# Altium PCB Power Distribution Board Rev5.PcbDoc (part 2 of 2) (continued)
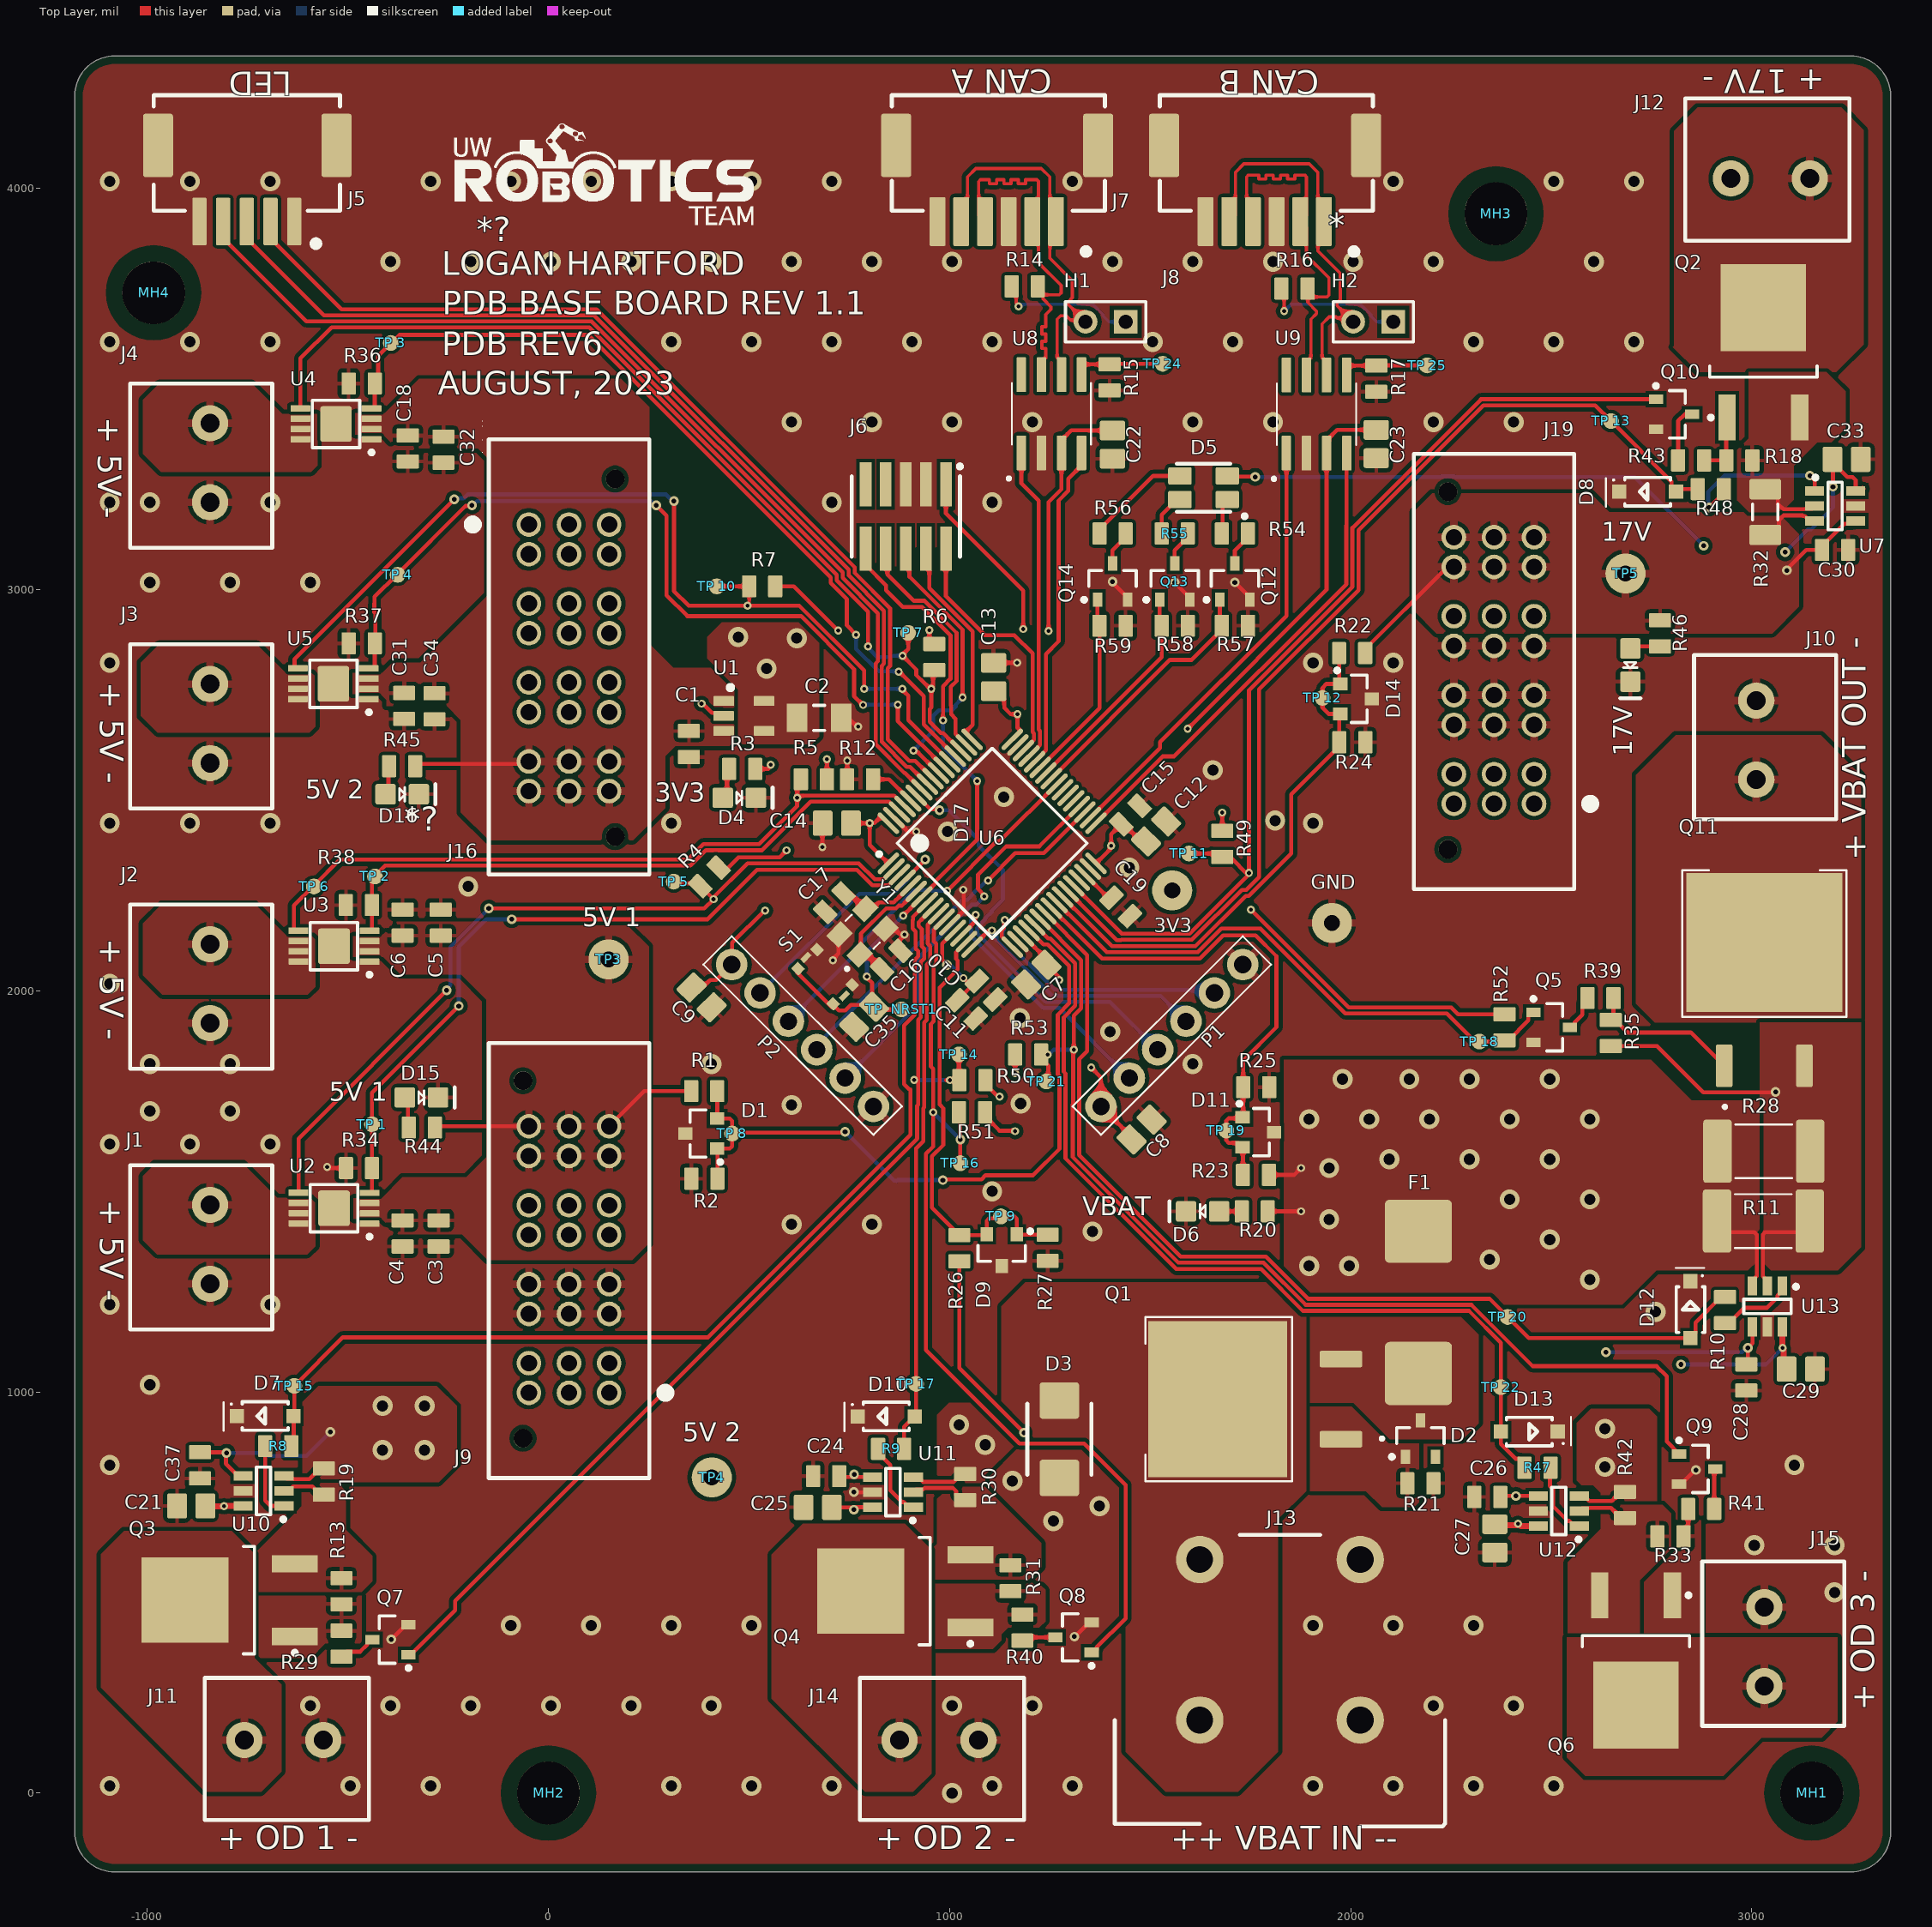
[diagram p0: Top Layer view]
## Nets (pads, with @x,y where several pads share a name; then routed paths per layer and width w, separated by ;. In a path a pad name is that pad's centre, name@x,y a point inside that pad or via, vN(x,y) a via of type N, cw(c..) or ccw(c..) an arc to the next point about the centre after c; other vN are vias at no path point) (continued)
NetD5_2: D5.2 R55.1 | length 107.9
  Top Layer w10: R55.1@1528.82,3140 1528.82,3186.92 1566.37,3224.47 D5.2@1574.24,3224.47
NetD5_3: D5.3 R56.1 | length 265.6
  Top Layer w10: R56.1@1373.82,3140 1373.82,3149.84 1507.5,3283.53 D5.3@1574.24,3283.53
NetD6_1: D6.1 R20.1 | length 56.2
  Top Layer w10: D6.1@1672.24,1450.15 R20.1@1728.42,1450.15
NetD15_1: D15.1 R44.2 | length 79.1
  Top Layer w10: D15.1@-358.04,1734 -350.4,1726.36 -350.4,1661.22 R44.2@-348.18,1659
NetD16_1: D16.1 R45.2 | length 73.7
  Top Layer w10: D16.1@-406.04,2490 -398.9,2497.14 -398.9,2558.28 R45.2@-397.18,2560
NetD17_1: D17.1 R46.1 | length 76.1
  Top Layer w10: D17.1@2697.3,2853.34 2702.48,2858.52 R46.1@2771.3,2858.52
NetH1_1: H1.1 R14.1 | length 346.1
  Top Layer w8: R14.1@1154.9,3756.07 1165.96,3745.01 1165.96,3714.25 1171.9,3708.31 v2(1171.9,3706.15)
  Bottom Layer w8: v2(1171.9,3706.15) 1176.99,3711.24 1357.13,3711.24 1382.63,3685.75 1382.63,3682.66 1397.58,3667.72 H1.1@1439.1,3667.72
NetH2_1: H2.1 R16.1 | length 358
  Top Layer w8: R16.1@1827.47,3750.55 1834.1,3743.92 v2(1834.1,3694.36)
  Bottom Layer w8: v2(1834.1,3694.36) 1850.99,3711.24 2024.33,3711.24 2049.83,3685.75 2049.83,3682.66 2064.77,3667.72 H2.1@2106.3,3667.72
NetJ10_1: J10.1 Q11.2
NetJ11_1: J11.1 Q3.2
NetJ12_1: J12.1 Q2.2
NetJ14_1: J14.1 Q4.2
NetJ15_1: J15.1 Q6.2
NetQ2_1: Q2.1 R18.1 R43.2 | length 162.8
  Top Layer w10: R43.2@2881.38,3322.15 R18.1@2936.42,3322.15 2936.42,3427.15 Q2.1@2938.35,3429.08
NetQ3_1: Q3.1 R13.1 R29.2
NetQ4_1: Q4.1 R31.1 R40.2
NetQ5_3: Q5.3 R39.1 | length 94.5
  Top Layer w10: Q5.3@2546.24,1909 2552.14,1909 2558.95,1915.81 2558.95,1921.72 2577.48,1940.24 2577.48,1969.15 R39.1@2590.2,1981.86
NetQ6_1: Q6.1 R33.1 R41.2 | length 73.2
  Top Layer w10: R33.1@2829.69,639.84 2841.42,651.56 R41.2@2841.42,708.15
NetQ7_3: Q7.3 R29.1 | length 98
  Top Layer w10: R29.1@-516.1,339.76 -503.39,352.48 -469.48,352.48 -452.04,369.92 -452.04,375.83 -445.23,382.64 Q7.3@-439.32,382.64
NetQ8_3: Q8.3 R40.1 | length 85.3
  Top Layer w10: R40.1@1181.65,380.12 1189.67,388.13 Q8.3@1263.62,388.13
NetQ9_3: Q9.3 R41.1 | length 101.2
  Top Layer w10: R41.1@2906.38,708.15 2906.38,805.35 Q9.3@2909.17,808.15
NetQ10_3: Q10.3 R43.1 | length 127.9
  Top Layer w10: R43.1@2816.42,3322.15 2816.42,3420.3 2833.27,3437.15 Q10.3@2839.17,3437.15
NetQ11_1: Q11.1 R35.1 R39.2 | length 387.5
  Top Layer w10: R39.2@2655.16,1981.86 2655.16,1933.82 R35.1@2648.52,1927.18 2658.36,1927.18 2689.55,1896 2848.33,1896 Q11.1@2931.3,1813.03
NetQ12_3: Q12.3 R54.1 | length 88.4
  Top Layer w10: Q12.3@1711.3,3065.28 1711.3,3097.99 1730.75,3117.44 1731.06,3117.44 1743.78,3130.16 R54.1@1743.78,3140
NetQ13_3: Q13.3 R55.2 | length 88.4
  Top Layer w10: Q13.3@1561.3,3065.28 1561.3,3097.99 1580.75,3117.44 1581.06,3117.44 1593.78,3130.16 R55.2@1593.78,3140
NetQ14_3: Q14.3 R56.2 | length 88.4
  Top Layer w10: Q14.3@1406.3,3065.28 1406.3,3097.99 1425.75,3117.44 1426.06,3117.44 1438.78,3130.16 R56.2@1438.78,3140
NetR8_1: R8.1 U10.1 | length 188.5
  Top Layer w10: R8.1@-706.18,865 -706.18,728.82 -693.11,715.75 U10.1@-659.26,715.75
NetR9_1: R9.1 U11.1 | length 191.2
  Top Layer w10: R9.1@821.82,858 821.82,848.16 852.3,817.68 852.3,754.32 881.07,725.54 885.68,725.54 898.27,712.95 U11.1@910.08,712.95
NetR10_1: R10.1 U13.1 | length 191.4
  Top Layer w10: R10.1@2933.3,1171.52 2943.14,1171.52 2981.4,1209.78 3038.48,1209.78 3064.02,1235.32 3064.02,1239.93 3076.61,1252.52 U13.1@3076.61,1264.33
NetR12_2: R12.2 U6.60 | length 115.9
  Top Layer w10: R12.2@809.38,2527.15 849.43,2527.15 U6.60@903.07,2473.5
NetR15_1: "TP 24.1" R15.1 U8.5 | length 224.5
  Top Layer w10: U8.5@1329.04,3535.9 1329.04,3554.78 1335.85,3561.59 R15.1@1398.83,3561.59 1400.24,3563 1531.3,3563
NetR17_1: "TP 25.1" R17.1 U9.5 | length 220
  Top Layer w10: U9.5@1989.87,3535.06 1989.87,3551.5 1996.69,3558.31 R17.1@2063.87,3558.31 2064.56,3559 2190.3,3559
NetR47_1: R47.1 U12.1 | length 185.9
  Top Layer w10: R47.1@2498.3,811 2496.72,809.42 2496.72,765.36 2504.34,757.75 2504.34,715.07 2541.07,678.34 2545.68,678.34 2558.27,665.75 U12.1@2570.08,665.75
NetR48_1: R48.1 U7.1 | length 415.5
  Top Layer w10: v3(2893.47,3204.63) 2894.4,3204.63 2930.47,3240.7 R48.1@2930.47,3250.54 ; v3(3144.93,3284.34) 3156.75,3272.53 U7.1@3156.75,3245.98
  Bottom Layer w10: v3(2893.47,3204.63) 2891.38,3206.72 2891.38,3243.93 2920.04,3272.59 2931.79,3284.34 v3(3144.93,3284.34)
NetU6_33: U6.33 U9.4 | length 1197.8
  Top Layer w10: U6.33@1365.2,2417.83 1531.74,2584.36 1560.21,2584.36 1989.3,3013.45 1989.3,3160.21 1989.87,3160.79 U9.4@1989.87,3340.18
NetU6_34: U6.34 U9.1 | length 1110.8
  Top Layer w10: U6.34@1351.28,2431.75 1524.81,2605.28 1524.81,2619.67 1839.87,2934.73 U9.1@1839.87,3340.18
NetU6_44: U6.44 U8.4 | length 818.5
  Top Layer w10: U6.44@1212.09,2570.94 1212.09,2571.43 1240.11,2599.46 1240.11,2839.37 1271.9,2871.15 1271.9,3221.94 1296.06,3246.1 1296.06,3276.55 1329.04,3309.52 U8.4@1329.04,3341.02
NetU6_45: U6.45 U8.1 | length 786.4
  Top Layer w10: U8.1@1179.04,3341.02 1179.04,3265.01 1221.9,3222.15 1221.9,2650.84 1225.11,2647.62 1225.11,2612.3 1198.17,2585.35 U6.45@1198.17,2584.86
NRST: "TP  NRST1.1" C35.2 J6.10 S1.3 S1.4 U6.7 | length 1731.4
  Top Layer w10: S1.3@619.39,2046.33 707.08,1958.64 716.53,1958.64 724.23,1950.94 739.76,1950.94 753.76,1964.94 803.04,1964.94 816.82,1951.16 834.81,1951.16 836.8,1953.15 868.9,1953.15 ; J6.10@790.9,3102.15 790.9,3061.65 841.8,3010.74 841.8,2998.56 883.21,2957.16 931.25,2957.16 1002.46,2885.95 1002.46,2777.9 983.52,2758.97 v2(983.52,2674.11) ; v2(793.9,2035.15) 793.9,2032.44 806.94,2019.4 806.94,1964.94 C35.2@811.81,1960.06 ; C35.2@802.26,1958.12 C35.2@809.86,1958.12 ; v2(884.19,2187.35) U6.7@930.91,2234.09 964.22,2267.4 964.22,2272.35 1068.9,2377.02 v2(1068.9,2523.15)
  Bottom Layer w10: v2(793.9,2035.15) 793.9,2097.07 v2(884.19,2187.35) ; v2(983.52,2674.11) 983.52,2608.53 v2(1068.9,2523.15)
ODRIVE_1: Q3.3 R13.2 R19.2 U10.2 | length 113.2
  Top Layer w10: U10.2@-659.26,753.15 -647.45,753.15 -636.28,764.32 -588.39,764.32 -582.53,758.47 -582.53,756.83 -569.81,744.12 R19.2@-559.97,744.12
ODRIVE_1_CURRENT: "TP 15.1" D7.2 R8.2 U6.8 | length 2571.7
  Top Layer w10: R8.2@-641.22,865 -635.32,870.9 D7.2@-635.32,940 -633.7,941.62 -633.7,1015 -512.7,1136 397.75,1136 902.71,1640.96 902.71,1754 899.8,1754 886.63,1767.17 886.63,1913.73 913.03,1940.13 913.03,2077.47 921.63,2086.07 921.63,2099.05 915.73,2104.95 915.73,2147.64 908.09,2155.28 908.09,2175.9 909.19,2177 909.19,2184.53 U6.8@944.83,2220.17
ODRIVE_1_EN: "TP 14.1" Q7.1 R50.1 U6.9 | length 2614.6
  Top Layer w10: Q7.1@-348.77,345.24 -342.86,345.24 -232.7,455.4 -232.7,479.34 919.3,1631.34 919.3,1713.72 921.63,1716.05 921.63,1777.52 ; v2(911.63,1777.52) 921.63,1777.52 ; U6.9@958.75,2206.25 923.09,2170.59 923.09,2161.49 930.73,2153.86 930.73,2111.17 936.63,2105.26 936.63,2079.86 928.03,2071.25 928.03,1933.91 921.63,1927.52 921.63,1777.52 ; v2@991.07,1777.15 R50.1@1024.42,1777.15 1023.42,1778.15 1023.42,1841.15
  Bottom Layer w10: v2(911.63,1777.52) 911.82,1777.34 1000.88,1777.34 v2(1001.07,1777.15)
ODRIVE_2: Q4.3 R30.2 R31.2 U11.2 | length 151.4
  Top Layer w10: U11.2@910.08,750.35 916.89,757.17 934.1,757.17 937.64,760.71 1008.54,760.71 1016.43,752.82 1016.43,743.07 1029.15,730.35 R30.2@1038.9,730.35
ODRIVE_2_CURRENT: "TP 17.1" D10.2 R9.2 U6.10 | length 1374.8
  Top Layer w10: R9.2@886.78,858 886.78,912.61 D10.2@913.16,939 916.3,942.13 916.3,1020 916.3,1607.13 934.3,1625.13 934.3,1707.5 936.63,1709.84 936.63,1921.31 943.03,1927.7 943.03,2065.04 951.63,2073.65 951.63,2111.47 945.73,2117.38 945.73,2164.9 972.67,2191.84 U6.10@972.67,2192.33
ODRIVE_2_EN: "TP 16.1" Q8.1 R51.1 U6.11 | length 2420
  Top Layer w10: U6.11@986.59,2178.41 986.59,2177.92 960.73,2152.06 960.73,2123.59 966.63,2117.69 966.63,2067.63 966.44,2067.44 966.44,2067.24 960.39,2061.19 960.39,1923.85 953.3,1916.76 953.3,1811.31 959.3,1805.31 v2(959.3,1697.15) 959.3,1611.52 941.3,1593.52 941.3,1104.39 1174.24,871.44 1335.46,871.44 1438.9,768.01 1438.9,435.46 1366.89,363.45 1366.89,357.54 1360.08,350.73 Q8.1@1354.17,350.73 ; R51.1@1023.42,1697.15 1026.9,1693.67 v3(1026.9,1629) 1026.9,1570.15
  Bottom Layer w10: v2(959.3,1697.15) 959.3,1696.87 1026.9,1629.28 v3(1026.9,1629)
ODRIVE_3: Q6.3 R33.2 R42.2 U12.2 | length 127.3
  Top Layer w10: U12.2@2570.08,703.15 2576.89,709.96 2593.87,709.96 2594.56,710.65 2649.07,710.65 2674.05,685.67 R42.2@2683.9,685.67
ODRIVE_3_CURRENT: "TP 22.1" D13.2 R47.2 U6.21 | length 2247.5
  Top Layer w10: U6.21@1219.6,2156.98 1246.04,2130.54 1250.95,2130.54 1313.3,2068.19 1313.3,1962.49 1284.9,1934.08 1284.9,1797.84 1288.98,1793.75 1288.98,1582.06 1564.9,1306.15 1776.9,1306.15 1880.9,1202.15 2294.9,1202.15 2374.43,1122.61 D13.2@2374.43,901 2374.43,869.91 2392.61,851.73 2410.87,833.47 2420.62,833.47 2433.34,820.75 R47.2@2433.34,811
ODRIVE_3_EN: "TP 21.1" Q9.1 R53.1 U6.22 | length 2728.4
  Top Layer w10: U6.22@1226.01,2178.41 1328.3,2076.12 1328.3,1956.27 1309.9,1937.87 v2(1309.9,1853.15) ; 1231.9,1769.29 1246.3,1783.69 1246.3,1813.39 1228.38,1831.31 R53.1@1228.38,1841.15 v2(1244.9,1841.15) ; v2@1308.11,1852.94 1308.11,1717.36 1307.15,1716.4 1307.15,1585.11 1570.11,1322.15 1782.68,1322.15 1887.68,1217.15 2301.11,1217.15 2454.11,1064.15 2762.9,1064.15 2787.9,1039.14 2787.9,876.27 Q9.1@2818.62,845.55
  Bottom Layer w10: v2(1244.9,1841.15) 1247.6,1841.15 1259.6,1853.15 v2(1309.9,1853.15)
PB14: P2.4 U6.35 | length 921.2
  Top Layer w10: v2(1096,2275.15) 1163.85,2343 1234.7,2343 U6.35@1337.36,2445.66
  Bottom Layer w10: P2.4@668.9,1853.15 668.9,1864.31 1031.52,2226.93 1034.57,2226.93 1034.61,2226.96 1044.36,2226.96 1059,2241.6 1059,2243 1076.11,2260.11 1078.26,2260.11 1093.29,2275.15 v2(1096,2275.15)
PB15: P2.5 U6.36 | length 986.8
  Top Layer w10: v2(1086.47,2235.11) 1086.47,2237.82 1071,2253.29 1071,2290 1140.86,2359.86 1223.72,2359.86 U6.36@1323.44,2459.58
  Bottom Layer w10: P2.5@739.61,1782.44 922.73,1965.56 922.73,2082.45 1054.55,2214.27 1065.62,2214.27 v2(1086.47,2235.11)
PC9: P2.3 U6.40 | length 923.7
  Top Layer w10: v2(994.1,2249.15) 1117.71,2372.75 1125.25,2372.75 U6.40@1267.76,2515.26
  Bottom Layer w10: P2.3@598.19,1923.86 765.13,2090.8 765.13,2103.65 912.63,2251.15 954.05,2251.15 956.05,2249.15 v2(994.1,2249.15)
SWD_CLK: J6.4 U6.49 | length 538.2
  Top Layer w10: J6.4@940.9,3102.15 949.54,3093.51 949.54,3003.86 1057.46,2895.94 1057.46,2662.57 1039.44,2644.55 1039.44,2643.37 U6.49@1056.19,2626.62
SWD_IO: J6.2 U6.46 | length 647.9
  Top Layer w10: J6.2@990.9,3102.15 990.9,2983.72 1088.21,2886.41 1161.64,2886.41 1206.9,2841.15 1206.9,2644.62 1210.11,2641.41 1210.11,2625.13 1184.25,2599.27 U6.46@1184.25,2598.78
VBAT: D3.2 J13.1 Q1.2
VBAT_ADC_INPUT: "TP 19.1" D11.1 D11.2 R23.1 R25.2 U6.24 | length 1305.8
  Top Layer w10: U6.24@1253.84,2206.25 1379.95,2080.15 1624.32,2080.15 1682.22,2138.05 1763,2138.05 1814.9,2086.15 1814.9,1909.15 1732.07,1826.32 R25.2@1732.07,1759.62 1732.07,1686.49 D11.1@1730.49,1684.92 1727.73,1682.15 1695.69,1682.15 1689.83,1676.29 1689.83,1626.72 1695.69,1620.86 1719.74,1620.86 1731.36,1609.25 R23.1@1731.36,1541.03
VBAT_BUCK: Q11.3 R11.2 R28.2 R35.2 U13.2 | length 740.5
  Top Layer w10: R35.2@2661.04,1849.7 R35.2@2648.52,1862.22 2764.07,1862.22 2879.3,1747 2907.98,1747 2908.1,1746.88 3054.18,1746.88 3055.3,1748 v3(3059.3,1748) ; U13.2@3039.21,1264.33 3039.21,1276.14 3027.43,1287.92 3027.43,1392.29 3033.29,1398.15 3116.76,1398.15 R11.2@3144.46,1425.86
VBAT_BUCK_CURRENT: "TP 20.1" D12.2 R10.2 U6.23 | length 2510.1
  Top Layer w10: U6.23@1239.92,2192.33 1343.3,2088.96 1343.3,1849.49 1323.11,1829.29 1323.11,1590.37 1576.32,1337.15 1788.9,1337.15 1893.9,1232.15 2346.14,1232.15 2444.15,1134.13 D12.2@2847.3,1134.13 2860.01,1146.85 2860.01,1173.04 2923.45,1236.48 R10.2@2933.3,1236.48
VBAT_BUCK_EN: "TP 18.1" Q5.1 R52.1 U6.25 | length 1395.8
  Top Layer w10: U6.25@1267.76,2220.17 1391.79,2096.15 1619.11,2096.15 1678,2155.04 1775.26,2155.04 1986.9,1943.4 2239.9,1943.4 2304.3,1879 ; 2324.84,1873.38 2324.78,1873.38 2324.84,1873.32 2380.32,1873.32 R52.1@2383.52,1876.52 2393.36,1876.52 2442.97,1926.12 2442.97,1939.59 2449.78,1946.4 Q5.1@2455.69,1946.4
VBAT_FUSED: C24.2 C26.2 C28.2 C37.2 F1.2 J9.1 J16.1 J19.1 R11.1 R19.1 R20.2 R23.2 R28.1 R30.1 R42.1 U10.3 U10.4 U11.3 U11.4 U12.3 U12.4 U13.3 U13.4 | length 1884.8
  Top Layer w10: C37.2@-880.02,839.32 C37.2@-880.02,850.96 ; C37.2@-868.7,849.48 -804.18,849.48 -804.18,821.3 -773.43,790.55 U10.4@-761.62,790.55 ; U10.3@-659.26,790.55 -652.45,783.74 -636.14,783.74 -634.78,782.38 -596.51,782.38 -569.81,809.08 R19.1@-559.97,809.08 ; C24.2@724.78,790 727.02,787.75 762.09,787.75 U11.4@807.72,787.75 ; v3@762.2,787.75 v3(762.2,794.35) ; U11.3@910.08,787.75 921.89,787.75 933.94,775.71 1010.48,775.71 1016.34,781.56 1016.34,782.6 1029.06,795.31 R30.1@1038.9,795.31 ; R20.2@1793.38,1450.15 v2(1876.11,1450.15) ; R23.2@1796.32,1541.03 1858.99,1541.03 v2(1876.11,1558.15) ; C26.2@2373.26,738.2 2375.61,740.55 U12.4@2467.72,740.55 ; U12.3@2570.08,740.55 2581.89,740.55 2594.48,727.96 2651.39,727.96 2674.05,750.63 R42.1@2683.9,750.63 ; R11.1@2913.36,1411.56 2926.77,1398.15 3006.57,1398.15 3012.43,1392.29 3012.43,1288.81 3008.62,1285 3008.62,1271.14 U13.3@3001.81,1264.33 ; C28.2@2986.3,1068.48 2990.3,1072.48 v3(2990.3,1109.85) 3001.81,1121.36 U13.4@3001.81,1161.97
  Bottom Layer w10: v3(-802.7,848) -705.31,848 -697.31,840 -603.7,840 v3(-543.7,900) ; v3(2636.3,1099) 2975.66,1099 2986.51,1109.85 v3(2990.3,1109.85)
  other v1: 2633.9,813.15 -413.7,855 -308.7,855 1088.9,868.15 2633.9,908.15 1023.9,918.15 -413.7,965 -308.7,965 2596.3,1280 1896.3,1314 1996.3,1314 2346.3,1330 2496.3,1380 1946.3,1430 2396.3,1480 2596.3,1480 1946.3,1558.15 2096.3,1580 2296.3,1580 2496.3,1580 1896.3,1680 2046.3,1680 2196.3,1680 2396.3,1680 2596.3,1680 1979.9,1780 2146.3,1780 2296.3,1780 2496.3,1780
  other v3: 2411.96,740.55
WKUP/ADC0: P1.2 U6.14 | length 666.3
  Top Layer w10: U6.14@1028.35,2136.65 1028.35,2137.14 1062.99,2171.79 1062.99,2187.35 v2(1064.91,2189.27)
  Bottom Layer w10: v2(1064.91,2189.27) 1064.91,2186.56 1053.9,2175.55 1053.9,2136.04 1232.78,1957.15 1273.48,1957.15 P1.2@1448.19,1782.44
pads on no net: D2.2 J6.7 J6.9 J9. J16. J19. MH1.0 MH2.0 MH3.0 MH4.0 S1.6 U6.29 U6.37 U6.38 U6.39 U8.8 U9.8

## Polygon pours and split planes (outlines as drawn)
GND on Bottom Layer "BOT_GND" (solid, remove dead copper, pour order 42): -1181.1,-196.85 -1181.1,4330.71 3346.46,4330.71 3346.46,-196.85
VBAT_FUSED on Bottom Layer "NONET_L04_P-001" (solid, remove dead copper, pour order 5): 2742.25,2703 2868.9,2580.17 2868.9,2044.23 2677.43,1852.76 2677.43,685.97 2608.9,617.43 281.3,617.43 -258.7,615.56 -269.26,615.56 -481.1,830 -481.1,3150 -483.7,3152.6 -483.7,3330 -353.7,3460 -338.7,3460.37 126.3,3460.37 126.3,3460 268.9,3320 268.9,1659.07 654.82,1273.15 1833.68,1273.15 1833.68,1827.93 2076.3,2070.55 2076.3,2566 2077.3,2566 2214.3,2703
GND on Top Layer "TOP_GND" (solid, remove dead copper, pour order 51): -1181.1,-196.85 -1181.1,4330.71 3346.46,4330.71 3346.46,-196.85
17V on Top Layer "17V_L01_P049" (solid, remove dead copper, pour order 49): 2157.3,2948 2157.3,3194 2203.3,3240 2598.13,3240 2645.14,3192.99 3065.05,3192.99 3065.05,3191.45 3117.93,3138.57 3117.93,2957.63 3051.3,2891 2214.3,2891
VBAT_FUSED on Top Layer "VBAT_FUSED_L01_P041" (solid, remove dead copper, pour order 41): -613.7,775 -613.7,975 -573.7,1015 -278.7,1015 -228.7,965 -228.7,820 -273.7,775
NetJ12_1 on Top Layer "NETJ12_1_L01_P050" (solid, remove dead copper, pour order 50): 2803,3605 2806.3,3608.3 2806.3,4143.3 2865,4202 3223,4202 3279,4146 3279,3611.1 3210.05,3542.15 2865.85,3542.15
17V_LOAD on Top Layer "NONET_L04_P-001" (solid, remove dead copper, pour order 37): 2993.9,3193.22 2964.97,3222.15 2963.9,3222.15 2963.9,3348.22 2992.82,3377.15 2992.82,3542.15 3186.2,3542.15 3233.9,3494.45 3233.9,3402.74 3198.3,3367.15 3163.9,3367.15 3104.9,3308.15 3104.9,3223.62 3074.5,3193.22
NetJ10_1 on Top Layer "NETJ10_1_L01_P048" (solid, remove dead copper, pour order 48): 3272.3,1921 2758.52,1921 2711.3,1968.22 2711.3,2538 2810.3,2637 3172.38,2637 3272.3,2537.08
VBAT_BUCK on Top Layer "VBAT_BUCK_L01_P047" (solid, remove dead copper, pour order 47): 3019.53,1331.77 3048.15,1303.15 3214.52,1303.15 3272.3,1360.93 3272.3,1921 3020.38,1921
VBAT_FUSED on Top Layer "NONET_L04_P-001" (solid, remove dead copper, pour order 3): 2748.37,1827.93 2850.07,1726.23 3019.53,1726.23 3019.53,1332.38 2990.3,1303.15 2762.65,1303.15 2677.43,1217.93 1888.9,1217.93 1833.68,1273.15 1833.68,1827.93
NetJ14_1 on Top Layer "NONET_L04_P-001" (solid, remove dead copper, pour order 10): 908.9,3.15 954.44,48.69 954.44,606.59 889.15,671.87 633.76,671.87 556.63,594.74 556.63,235.42 788.9,3.15
VBAT_FUSED on Top Layer "NONET_L04_P-001" (solid, remove dead copper, pour order 26): 998.9,763.15 968.9,793.15 968.9,943.15 998.9,973.15 1128.9,973.15 1128.9,933.15 1178.9,883.15 1088.9,793.15 1088.9,763.15
VBAT on Top Layer "NONET_L04_P-001" (solid, remove dead copper, pour order 0): 1323.76,883.15 1438.9,768.01 1438.9,103.15 1538.9,3.15 1718.9,3.15 1818.9,103.15 1818.9,683.15 1888.9,753.15 1888.9,1217.93 1833.68,1273.15 1188.9,1273.15 1128.9,1213.15 1128.9,933.15 1178.9,883.15
5V_LOAD1_2 on Top Layer "NONET_L04_P-001" (solid, remove dead copper, pour order 20): -962.95,1990 -1011.1,2038.15 -1011.1,2168.15 -964.55,2214.7 -731.1,2214.7 -653.25,2136.85 -590.96,2136.85 -581.1,2126.99 -581.1,2009.75 -600.85,1990
5V_2 on Top Layer "5V_2_L01_P044" (solid, remove dead copper, pour order 44): -481.7,3440 -481.7,3387 -412.7,3387 -377.7,3352 -175.7,3352 -149.7,3326 -149.7,2988 -319.7,2818 -388.7,2818 -414.7,2792 -488.7,2792 -488.7,2740 -418.7,2740 -403.7,2725 -403.7,2710 -253.7,2710 -218.7,2675 -218.7,2445 -148.7,2375 211.3,2375 291.3,2455 291.3,2585 316.3,2610 451.3,2610 476.3,2635 477.3,2635 477.3,2744 416.3,2805 311.3,2805 251.3,2865 251.3,3455 181.3,3525 -322.7,3525 -407.7,3440
3V3 on Top Layer "NONET_L04_P-001" (solid, remove dead copper, pour order 40): 483.9,2615.15 473.26,2625.79 473.16,2625.79 473.16,2750.51 395.53,2828.15 395.53,2881.78 443.9,2930.15 644.9,2930.15 674.9,2900.15 674.9,2634.15 655.9,2615.15
5V_1 on Top Layer "5V_1_L01_P045" (solid, remove dead copper, pour order 45): -486.7,2085 -486.7,2136 -416.7,2136 -380.7,2172 188.3,2172 250.3,2110 250.3,1370 209.3,1329 -151.7,1329 -215.7,1393 -377.7,1393 -415.7,1431 -485.7,1431 -485.7,1483 -415.7,1483 -363.7,1535 -204.7,1535 -154.7,1585 -154.7,1978 -217.7,2041 -368.7,2041 -412.7,2085
5V_LOAD2_1 on Top Layer "NONET_L04_P-001" (solid, remove dead copper, pour order 22): -576.49,3438.07 -576.1,3437.68 -576.1,3309.07 -592.03,3293.15 -966.1,3293.15 -1011.1,3338.15 -1011.1,3473.15 -971.1,3513.15 -738.78,3513.15 -663.7,3438.07
ODRIVE_1 on Top Layer "NONET_L04_P-001" (solid, remove dead copper, pour order 8): -732.88,596.89 -731.52,595.53 -731.52,501.79 -465.18,501.79 -439.32,527.65 -439.32,590.87 -505.04,656.59 -505.04,753.15 -524.72,772.83 -596.42,772.83 -615.04,754.21 -615.04,714.73
VBAT_FUSED on Top Layer "NONET_L04_P-001" (solid, remove dead copper, pour order 31): 2638.9,718.15 2623.9,733.15 2623.9,748.66 2604.41,768.15 2575.2,768.15 2563.9,779.45 2563.9,923.15 2598.9,958.15 2743.9,958.15 2763.9,938.15 2763.9,718.15
ODRIVE_3 on Top Layer "NONET_L04_P-001" (solid, remove dead copper, pour order 28): 2541.07,390 2541.07,575.32 2623.9,658.15 2623.9,703.15 2638.9,718.15 2777.38,718.15 2798.9,696.64 2798.9,608.15 2721.3,530.55 2721.3,390
NetD2_3 on Top Layer "NONET_L04_P-001" (solid, remove dead copper, pour order 1): 1888.9,1217.93 1888.9,973.15 2006.88,973.15 2098.03,882 2278.9,882 2318.9,922 2318.9,1143.15 2244.12,1217.93
NetQ6_1 on Top Layer "NONET_L04_P-001" (solid, remove dead copper, pour order 30): 2721.3,395 2721.3,530.55 2798.9,608.15 2798.9,696.64 2777.38,718.15 2778.9,718.15 2813.9,753.15 2863.9,753.15 2873.9,743.15 2873.9,395
NetJ15_1 on Top Layer "NONET_L04_P-001" (solid, remove dead copper, pour order 27): 2584.99,43.15 2538.9,89.24 2538.9,388.15 3213.9,388.15 3213.9,178.15 3173.9,138.15 3023.9,138.15 2928.9,43.15
5V_LOAD2_2 on Top Layer "NONET_L04_P-001" (solid, remove dead copper, pour order 23): -974.08,2643.15 -1016.1,2685.17 -1016.1,2818.15 -971.1,2863.15 -726.1,2863.15 -653.93,2790.98 -589.27,2790.98 -581.1,2782.81 -581.1,2658.15 -596.1,2643.15
5V_LOAD1_1 on Top Layer "NONET_L04_P-001" (solid, remove dead copper, pour order 18): -1011.1,1538.15 -981.1,1568.15 -761.1,1568.15 -676.55,1483.6 -593.61,1483.6 -581.1,1471.09 -581.1,1363.15 -601.1,1343.15 -976.1,1343.15 -1011.1,1378.15
NetQ4_1 on Top Layer "NONET_L04_P-001" (solid, remove dead copper, pour order 13): 954.44,359.45 954.44,532.07 1197.82,532.07 1213.36,516.53 1228.9,516.53 1238.9,506.53 1238.9,428.1 1223.4,412.6 1146.81,412.6 1129.49,395.27 1129.49,380.99 1107.94,359.45
ODRIVE_2 on Top Layer "NONET_L04_P-001" (solid, remove dead copper, pour order 11): 1228.9,623.15 1088.9,763.15 998.9,763.15 968.9,733.15 968.9,621.05 954.44,606.59 954.44,532.07 1197.82,532.07 1228.9,563.15
NetQ3_1 on Top Layer "NONET_L04_P-001" (solid, remove dead copper, pour order 9): -732.88,346.89 -730.16,349.61 -730.16,503.15 -463.82,503.15 -465.18,501.79 -465.18,377.64 -469.67,373.15 -556.1,373.15 -592.21,337.04 -732.88,337.04
NetJ11_1 on Top Layer "NONET_L04_P-001" (solid, remove dead copper, pour order 6): -1116.1,595.28 -1116.1,263.15 -856.1,3.15 -716.1,3.15 -666.1,53.15 -666.1,270.26 -732.88,337.04 -732.88,596.89 -789.14,653.15 -1058.23,653.15
NetD2_1 on Top Layer "NONET_L04_P-001" (solid, remove dead copper, pour order 2): 1888.9,753.15 2038.09,753.15 2078.09,713.15 2158.9,713.15 2170.51,724.76 2170.51,879.12 2171.94,880.56 2170.51,882 2098.03,882 2006.88,973.15 1888.9,973.15
5V_2 on L3-Ground "5V_2_L03_P053" (solid, remove dead copper, pour order 53): 2806.3,3446.2 2861.76,3501.66 3172.58,3501.66 3214.52,3459.72 3214.52,1024.52 2820,630 -926.04,630 -1010,713.96 -1010,950 -860,1100 -701.1,1100 -570,1231.1 -570,2093.7 -218.7,2445 -218.7,2919 -148.7,2989 -148.7,3525 181.3,3525 251.3,3455 251.3,2625 291.3,2585 291.3,2455 -148.7,2015 -148.7,992.07 -114.79,958.15 2568.95,958.15 2806.3,1195.5
GND on L3-Ground "L3_GND" (solid, remove dead copper, pour order 55): -1181.1,-96.85 ccw(c-1081.1,-96.85) -1081.1,-196.85 3246.46,-196.85 ccw(c3246.46,-96.85) 3346.46,-96.85 3346.46,4230.71 ccw(c3246.46,4230.71) 3246.46,4330.71 -1081.1,4330.71 ccw(c-1081.1,4230.71) -1181.1,4230.71
3V3 on L3-Ground "3V3_L03_P054" (solid, pour order 54): 470,2240 1081,1629 1219,1629 1850,2260 1850,2480 1380,2950 648.9,2950 618.9,2920 438.22,2920 400,2881.78 400,2820 470,2750
GND on L2-Ground "L2_GND" (solid, remove dead copper, pour order 52): -1181.1,-96.85 ccw(c-1081.1,-96.85) -1081.1,-196.85 3246.46,-196.85 ccw(c3246.46,-96.85) 3346.46,-96.85 3346.46,4230.71 ccw(c3246.46,4230.71) 3246.46,4330.71 -1081.1,4330.71 ccw(c-1081.1,4230.71) -1181.1,4230.71

## Silkscreen, mask and mechanical layers (free items; w line width, h text height)
Top Overlay:
  drawing of 20 lines, arcs and shapes, not listed
  text "CAN A" at 1255.06,4315.59 h100 r180
  text "+ 17V -" at 3181.3,4315 h100 r180
  text "CAN B" at 1921.65,4313.1 h100 r180
  text "LED" at -639.53,4310.51 h100 r180
  text "LOGAN HARTFORD" at -265.7,3765.08 h100
  text "PDB BASE BOARD REV 1.1" at -265,3666.08 h100
  text "PDB REV6" at -265.7,3565.08 h100
  text "AUGUST, 2023" at -275.78,3466.66 h100
  text "+ 5V -" at -1142.54,3430 h100 r270
  text "17V" at 2625.3,3105 h80
  text "+ 5V -" at -1137.54,2770 h100 r270
  text "17V" at 2717.3,2585.17 h80 r90
  text "5V 2" at -605.7,2462.93 h80
  text "3V3" at 265,2455.93 h80
  text "+ VBAT OUT -" at 3303.83,2325 h100 r90
  text "5V 1" at 85,2143.93 h80
  text "+ 5V -" at -1137.54,2130 h100 r270
  text "5V 1" at -546.7,1708.93 h80
  text "+ 5V -" at -1137.54,1480 h100 r270
  text "VBAT" at 1331.3,1424 h80
  text "5V 2" at 335.3,860.93 h80
  text "+ OD 3 -" at 3325.13,205 h100 r90
  text "+ OD 1 -" at -823.7,-158.83 h100
  text "+ OD 2 -" at 816.3,-158.83 h100
  text "++ VBAT IN --" at 1551.3,-160 h100
Bottom Overlay:
  drawing of 88 lines, arcs and shapes, not listed
Polygon Outline:
  lines w5: 2993.9,3193.22 3064.81,3193.22 3117.93,3140.11 3117.93,2957.63 3051.3,2891 2214.3,2891 2156.3,2949 2156.3,3193 2203.3,3240 2598.13,3240 2644.91,3193.22 3002.05,3193.22 ; -1010,713.96 -1010,950 -860,1100 -701.1,1100 -570,1231.1 -570,2093.7 -218.7,2445 -218.7,2919 -148.7,2989 -148.7,3525 181.3,3525 251.3,3455 251.3,2625 291.3,2585 291.3,2455 -148.7,2015 -148.7,992.07 -114.79,958.15 2568.95,958.15 2806.3,1195.5 2806.3,3446.2 2861.76,3501.66 3172.58,3501.66 3214.52,3459.72 3214.52,1024.52 2820,630 -926.04,630 -1010,713.96